# Altium PCB GameBoard_V1I1_Phase1.PcbDoc (part 7 of 18)
Units mm, origin at the board's own origin, x right, y up, seen from the top; angles counter-clockwise.
Board outline 182 x 70.2 mm, 12 copper layers (L1, L2, L3, L4, L5 (PWR), L6 (PWR), L7 (PWR), L8 (PWR), L9, L10, L11, L12), stack 2.079 mm thick; 1542 components, 1068 nets, 5447 pads, 3805 vias.
Unrouted connection lines stored in the file: 2.
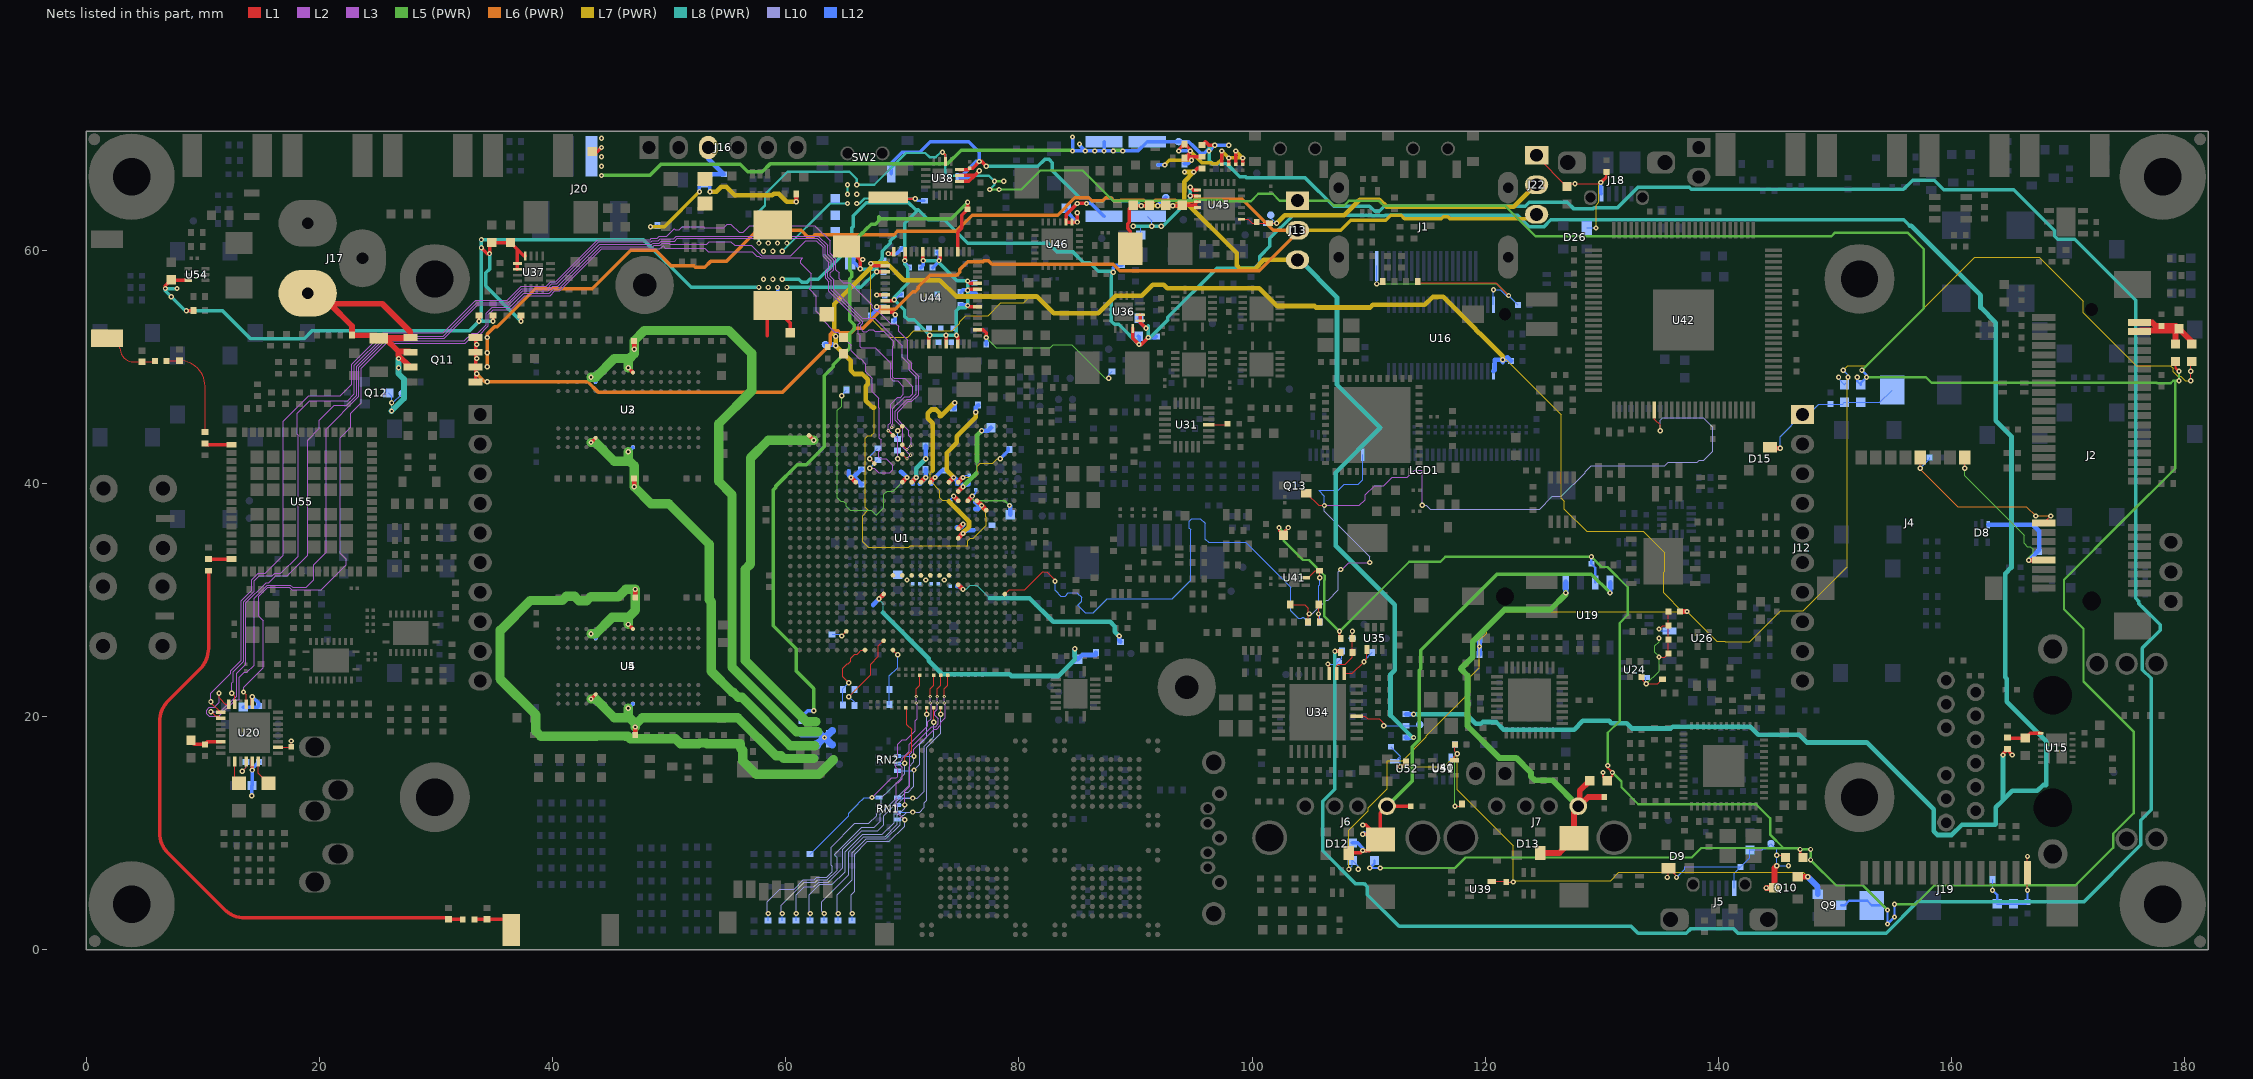
[diagram p17: the nets of this part, all layers, seen from the top]

## Via types
v1: diameter 0.45, hole 0.2, L1 to L12, 1937 vias
v2: diameter 0.45, hole 0.2, L1 to L12, tented both sides, 1004 vias
v3: diameter 0.27, hole 0.1, L1 to L2, 337 vias
v4: diameter 0.27, hole 0.1, L2 to L3, 335 vias
v5: diameter 0.27, hole 0.1, L10 to L11, 96 vias
v6: diameter 0.27, hole 0.1, L11 to L12, 94 vias
v7: diameter 0.27, hole 0.1, L3 to L5 (PWR), 2 vias

## Nets (pads, with @x,y where several pads share a name; then routed paths per layer and width w, separated by ;. In a path a pad name is that pad's centre, name@x,y a point inside that pad or via, vN(x,y) a via of type N, cw(c..) or ccw(c..) an arc to the next point about the centre after c; other vN are vias at no path point) (continued)
+5V: C70.1 C71.1 C218.1 C242.1 C458.1 C459.1 C460.1 D45.1 FB10.1 FB13.1 FB31.2 FB33.1 R183.1 TP37.1 U1.D10 U1.E9 U16.1 U44.44 | length 285.9
  L1 w0.1: v1(180.5,48.8) v1(180.5,49.6) 180.5,50.35 FB10.1@180.6,50.45
  L1 w0.3: v2(67.3,58.85) 67.5,58.65 U44.44@68.55,58.65
  L1 w0.4: U1.E9@76.4,38.5 v2(76.8,38.1) U1.D10@77.2,37.7 ; FB33.1@136.7,29 v1(137.3,29)
  L7 (PWR) w0.1: 67.3,58.5 67.3,54.166 68.928,52.537 70.457,52.537 70.995,53.075 74.275,53.075 74.925,53.725 74.925,53.855 75.445,54.375 77.355,54.375 78.455,55.475 80.405,55.475 80.955,56.025 ; 67.575,46.5 67.575,44.345 67.375,44.145 67.375,44.075 67.045,44.075 66.825,43.855 66.825,37.945 67.045,37.725 67.1,37.725 67.15,37.675 67.045,37.675 66.6,37.23 66.6,35 67.075,34.525 70.555,34.525 70.686,34.655 75.625,34.655 75.625,35.055 75.845,35.275 76.105,35.275 77.217,36.387 77.217,37.083 77.175,37.125 77.175,37.455 76.8,37.83 v2(76.8,38.1) ; v1(108.3,6.9) 108.3,10.25 109.982,11.932 109.982,12.182 111.6,13.8 111.6,16.2 112.9,16.2 114.95,18.25 114.95,18.33 118.73,22.111 118.73,23.4 119.5,24.17 v1(119.5,26) 119.5,26.53 120.125,27.155 120.125,27.455 121.67,29 136.9,29 ; v1(121.5,50.6) 121.8,50.6 126.525,45.875 126.525,38.705 126.775,38.455 126.775,37.795 128.695,35.875 133.555,35.875 135.375,34.055 135.375,32.445 135.3,32.37 135.3,30.6 136.9,29 ; v1(150.7,49.7) 151.075,50.075 152.675,50.075 161.975,59.375 167.525,59.375 171.3,55.6 171.3,54.61 175.835,50.075 178.409,50.075 178.434,50.1 178.766,50.1 179,49.866 179,49.57 179.395,49.175 179.655,49.175 180.03,48.8 v1(180.5,48.8) ; v1(151.1,49.1) 151.025,49.025 151.025,32.825 147.27,29.07 145.34,29.07 142.67,26.4 140.56,26.4 140.52,26.44 139.83,26.44 137.3,28.97 v1(137.3,29) 136.9,29
  L7 (PWR) w0.4: 67.3,58.5 64.175,55.375 64.175,52.725 v2(64.3,52.6) v2(64.3,51.8) 65.575,50.525 65.575,49.683 65.883,49.375 66.567,49.375 67.025,48.917 67.025,48.483 66.875,48.333 66.875,47.083 67.458,46.5 67.575,46.5 ; v2(67.3,58.85) 68.708,58.85 70.133,57.425 73.217,57.425 74.617,56.025 80.955,56.025 81.533,56.025 82.983,54.575 86.817,54.575 88.317,56.075 90.517,56.075 91.467,57.025 92.417,57.025 92.717,56.725 100.617,56.725 102.142,55.2 105.358,55.2 105.483,55.075 110.117,55.075 110.342,55.3 114.808,55.3 115.483,55.975 115.917,55.975 115.942,56 116.4,56 119.175,53.225 119.175,53.183 119.483,52.875 119.525,52.875 121.5,50.9 v1(121.5,50.6)
  L12 w0.1: v1(108.3,6.9) 108.6,7.2 FB13.1@108.6,7.65 109.1,7.15 v1(109.1,6.9) ; v1(150.3,49.1) 150.3,48.95 FB31.2@150.8,48.45 151.1,48.75 v1(151.1,49.1) 151.1,49.3 v1(150.7,49.7)
  L12 w0.4: TP37.1@63.4,51.9 64.2,51.9 v2(64.3,51.8) ; C71.1@76.265,37.8 76.5,37.8 v2(76.8,38.1) 76.565,38.1 C70.1@76.265,38.4 ; R183.1@119.5,25.3 v1(119.5,26) C242.1@119.5,26.6 ; U16.1@120.7,49.6 120.8,49.7 120.8,50.6 v1(121.5,50.6) ; v1@121.5,50.4 v1(121.5,50.6) ; C218.1@122.2,50.5 C218.1@122.1,50.6 ; v1(121.5,50.6) v1@121.7,50.6 ; v1@121.7,50.6 121.9,50.8 C218.1@122.1,50.6 ; v1@121.7,50.6 C218.1@122.1,50.6
+5V_BARREL: J17.1 Q11.1 Q11.2 Q11.3 Q12.3 R320.2 R321.2 TP24.1 | length 33.7
  L1 w0.5: J17.1@19,56.3 J17.1@19.3,56.3 ; Q11.3@27.8,49.965 26.8,50.965 26.8,51.3 ; Q11.2@27.8,51.235 27.735,51.3 26.8,51.3 ; J17.1@19.3,56.3 20,56.3 J17.1@20.9,55.4 ; J17.1@19.3,56.3 20.2,55.4 J17.1@20.9,55.4 ; J17.1@20.9,55.4 22.8,53.5 R320.2@22.8,52.7 24.85,52.7 R321.2@25.1,52.45 R321.2@25.65,52.45 ; J17.1@20.9,55.4 25.4,55.4 27.8,53 Q11.1@27.8,52.505 27.745,52.45 R321.2@25.65,52.45 ; R321.2@25.65,52.45 26.8,51.3
  L8 (PWR) w0.1: v1(26.2,46.2) v1(26.2,46.9)
  L8 (PWR) w0.5: v1(26.2,46.2) 27.27,47.27 27.27,48.933 26.8,49.403 v1(26.8,49.9) v1(26.8,50.7)
  L12 w0.1: Q12.3@25.9,47.75 26.2,47.45 v1(26.2,46.9) 26.3,46.9 TP24.1@27.1,47.7
+5V_FTDI: C299.1 C300.1 D18.1 D19.1 J16.3 R233.2 R238.2 | length 22
  L1 w0.4: v1(60.9,64.15) R233.2@60.9,64.8
  L7 (PWR) w0.3: v1(48.4,62) 49.6,62 v1(52.6,65)
  L7 (PWR) w0.4: v1(53.5,65) 54.058,65 54.483,65.425 54.917,65.425 55.642,64.7 58.858,64.7 58.983,64.825 59.417,64.825 60.092,64.15 v1(60.9,64.15)
  L12 w0.3: v1(48.4,62) 48.9,62 R238.2@49,62.1 ; v1(52.6,65) 52.6,65.55 C299.1@53.05,66 53.5,65.55 v1(53.5,65)
  L12 w0.4: C299.1@53.05,66 53.55,66.5 C300.1@54.7,66.5 53.36,67.84 J16.3@53.36,68.8
+5V_HDMI_CON: C221.1 J1.18 R146.2 R147.2 U16.38 | length 26.1
  L1 w0.1: v1(110.7,57.1) 111,57.1 R146.2@111.2,57.3 ; R147.2@114.2,57.3 114.3,57.2 120.9,57.2 v1(122,56.1)
  L5 (PWR) w0.1: v1(110.7,57.1) 121,57.1 v1(122,56.1)
  L12 w0.1: v1(110.7,57.1) J1.18@110.7,58.64 ; U16.38@120.7,55.3 v1(120.7,56.6) 121.3,56.6 121.8,56.1 v1(122,56.1) C221.1@122.8,55.3
+5V_HDR_J1: C297.1 C298.1 D15.1 FB27.1 FB31.1 J12.1 | length 13.2
  L1 w0.4: D15.1@144.4,43.1 144.5,43 v1(145.3,43)
  L12 w0.1: v1(145.3,43) 145.3,44 J12.1@147.2,45.9 147.7,45.9 148.6,46.8 C298.1@149.6,46.8 150.65,46.8 FB31.1@150.8,46.95 FB27.1@152.2,46.95 153.85,46.95 C297.1@154.9,48
+5V_JMP: J13.2 J22.3 Q11.5 Q11.6 Q11.7 Q11.8 | length 184.2
  L1 w0.3: Q11.5@33.4,48.695 Q11.6@33.4,49.965 Q11.7@33.4,51.235 Q11.8@33.4,52.505
  L6 (PWR) w0.3: v1(33.5,49.4) 34.2,48.7 v1(34.4,48.7) 43.028,48.7 43.903,47.825 59.745,47.825 63.825,51.905 63.825,52.797 64.103,53.075 64.497,53.075 64.647,52.925 65.597,52.925 65.986,53.314 66.636,53.314 68.247,54.925 69.4,54.925 70.9,56.425 71.097,56.425 71.375,56.703 71.375,56.847 72.353,57.825 74.647,57.825 74.925,58.103 74.925,58.338 75.6,59.013 76.941,59.013 77.003,59.075 77.397,59.075 77.697,58.775 88.097,58.775 88.647,58.225 100.597,58.225 103.9,61.528 J13.2@103.9,61.7 101.828,61.7 99.153,64.375 95.097,64.375 94.897,64.175 93.497,64.175 93.397,64.275 91.703,64.275 91.528,64.1 90.872,64.1 90.697,64.275 88.747,64.275 88.697,64.225 88.147,64.225 87.897,64.475 87.447,64.475 87.197,64.225 86.247,64.225 85.997,64.475 84.803,64.475 83.328,63 76,63 74.6,61.6 69.572,61.6 69.297,61.325 62.497,61.325 62.297,61.125 61.903,61.125 61.328,61.7 57.572,61.7 54.897,59.025 53.553,59.025 53.053,58.525 52.247,58.525 52.097,58.675 50.153,58.675 48.85,59.978 46.7,59.978 43.422,56.7 38.528,56.7 35.253,53.425 35.025,53.425 34.4,52.8 v1(34.4,52.5) v1(34.4,51.2) v1(34.4,50)
  L7 (PWR) w0.3: J13.2@103.9,61.7 107.6,61.7 108.45,62.55 111.45,62.55 111.875,62.975 112.797,62.975 113.072,62.7 116.228,62.7 116.403,62.875 116.797,62.875 116.972,62.7 124.04,62.7 J22.3@124.4,63.06
  other v1: 33.5,50.7 33.5,51.9
+5V_MPCIE: C236.1 C237.1 FB10.2 FB11.2 J2.49 J2.51 | length 10.1
  L1 w0.5: J2.49@176.1,53 176.2,53.1 C236.1@179.35,53.1 ; J2.51@176.1,53.8 177.2,53.8 177.5,53.5 C237.1@178,53.5 179.25,53.5 C236.1@179.5,53.25 ; FB11.2@179.2,51.95 179.2,52.95 C236.1@179.35,53.1 ; FB10.2@180.6,51.95 180.6,52.15 C236.1@179.5,53.25 ; C236.1@179.35,53.1 C236.1@179.5,53.25
+5V_USB_BOT: C243.1 C245.1 D12.1 FB13.2 FB14.2 J6.1 U19.8 | length 49.6
  L1 w0.3: D12.1@108.3,8.3 109.3,8.3 v1(109.5,8.5) 110.05,8.5 C243.1@111,9.45 111,11.72 J6.1@111.58,12.3 ; v1(109.5,9.9) 110.55,9.9 109.75,10.7 v1(109.5,10.7) ; J6.1@111.57,12.31 J6.1@111.58,12.3 ; C245.1@113.6,12.3 J6.1@111.58,12.3
  L5 (PWR) w0.3: J6.1@111.57,12.31 113.725,14.465 113.725,17.403 114.325,18.003 114.325,23.953 114.475,24.103 114.475,25.675 121,32.2 129.1,32.2 v1(130.7,30.6)
  L12 w0.3: FB13.2@108.6,9.15 109.05,9.15 109.5,8.7 v1(109.5,8.5) 109.85,8.5 FB14.2@110.5,9.15 v1@109.625,10.025
  L12 w0.4: v1(130.7,30.6) 130.705,30.605 U19.8@130.705,31.5
+5V_USB_OTG: C240.1 C241.1 D9.1 FB42.2 J5.1 Q10.3 TP11.1 | length 20.4
  L1 w0.1: v1(135.6,6.2) 135.7,6.3 D9.1@135.7,7 136.4,6.3 v1(136.4,6.2) ; v1(145,8.1) 145.55,8.1 FB42.2@145.75,7.9
  L1 w0.5: v1(144.1,5.3) Q10.3@144.8,5.3 144.8,7 v1(145,7.2)
  L12 w0.1: v1(136.4,6.2) 137.1,6.9 137.1,7.1 C241.1@141.9,7.1 ; J5.1@141.35,5.275 141.35,6.55 C241.1@141.9,7.1 ; v1(146,7.2) v1(145,7.2) v1(145,8.1) 145,8.6 TP11.1@144.5,9.1 144.075,8.675 143.845,8.675 143.735,8.565 142.715,8.565 C240.1@142.7,8.55 142.7,7.9 C241.1@141.9,7.1
+5V_USB_OTG_Q: C358.2 C519.2 C520.2 C521.2 Q9.2 Q10.2 R318.2 R319.2 U39.5 U40.5 U51.5 U52.5 | length 60.6
  L1 w0.1: v1(112.7,15.7) 113.2,16.2 R319.2@113.2,16.1 ; U40.5@117.35,16.25 117.35,16.55 v1(117.6,16.8) 117.4,17 C519.2@117.4,17.6 ; v1(117.4,12.3) 117.8,12.3 R318.2@118,12.5 ; U39.5@120.55,5.85 121.75,5.85 C358.2@121.8,5.8 v1(122.4,5.8)
  L1 w0.5: Q10.2@146.8,6.25 v1(147.65,6.25)
  L5 (PWR) w0.1: v1(117.4,12.3) 117.4,16.6 v1(117.6,16.8)
  L7 (PWR) w0.1: v1(112.7,15.7) 116.5,15.7 v1(117.6,16.8) 117.6,13.7 122.4,8.9 v1(122.4,5.8) 122.525,5.925 130.755,5.925 131.455,6.625 147.275,6.625 v1(147.65,6.25)
  L12 w0.1: C521.2@111.9,17.4 112.7,16.6 112.7,16.425 ; U52.5@112.225,16.15 112.6,16.525 112.7,16.425 ; v1(112.7,15.7) 112.7,16.425 ; U51.5@117.05,16.45 117.25,16.45 v1(117.6,16.8) 117.4,17 C520.2@117.4,17.6
  L12 w0.5: v1(147.65,6.25) 148.51,5.39 Q9.2@148.51,4.75
+5V_USB_TOP: C244.1 C246.1 D13.1 FB15.1 J7.1 U19.5 | length 42.4
  L1 w0.5: D13.1@124.7,8.3 126.35,8.3 C244.1@127.6,9.55 127.6,11.87 J7.1@128.1,12.37 ; FB15.1@128.95,14.5 128.1,13.65 J7.1@128.1,12.37 ; C246.1@130.2,13.1 128.83,13.1 J7.1@128.1,12.37
  L5 (PWR) w0.5: v1(126.9,30.6) 126.9,30.487 125.588,29.175 121.662,29.175 118.925,26.438 118.925,25.112 117.9,24.087 118.475,23.512 118.475,19.175 121.2,16.45 122.645,16.45 123.925,15.17 123.925,14.862 124.262,14.525 125.755,14.525 J7.1@127.97,12.31
  L12 w0.5: U19.5@126.895,31.5 126.895,30.605 v1(126.9,30.6)
+BAT: C489.1 J20.1 R226.1 R466.2 R475.2 R476.2 TP47.1 | length 295.8
  L1 w0.3: C489.1@43.4,68.45 43.85,68.45 v1(44.2,68.8) ; R466.2@95.7,69 96,69.3 96.3,69 v1(96.8,69) ; v1(107.1,25.6) 107.5,25.6 R226.1@107.6,25.5
  L5 (PWR) w0.3: v1(44.2,66.4) 48.328,66.4 49.303,67.375 56.097,67.375 56.747,66.725 57.997,66.725 58.697,67.425 73.897,67.425 75.047,68.575 v1@84.6,68.575 ; v1@88.1,68.575 88.825,68.575 v1(88.9,68.5)
  L8 (PWR) w0.3: v1(96.3,68.5) 96.3,68.7 96.325,68.725 ; v1(107.1,25.6) 107.1,13.771 106.058,12.729 106.058,8.47 108.853,5.675 109.597,5.675 109.875,5.397 109.875,4.725 112.6,2 132.5,2 133.1,1.4 137.22,1.4 137.595,1.775 141.297,1.775 141.672,1.4 154.372,1.4 157.1,4.128 171.354,4.128 176.21,8.984 176.21,11.1 177.1,11.99 177.1,23.265 176.345,24.02 176.345,25.873 177.875,27.403 177.875,27.875 176.325,29.425 176.303,29.425 176.025,29.703 176.025,29.875 175.775,30.125 175.775,55.697 170.547,60.925 169.103,60.925 168.825,61.203 168.825,61.675 165.325,65.175 159.328,65.175 158.503,66 156.652,66 155.862,65.21 137.665,65.21 137.5,65.375 133.092,65.375 131.342,63.625 129.325,63.625 129.225,63.525 127.603,63.525 127.018,64.11 123.765,64.11 123.415,63.76 121.494,63.76 121.444,63.81 111.382,63.81 110.897,63.325 110.503,63.325 110.068,63.76 106.994,63.76 104.529,66.225 99.503,66.225 99.453,66.275 98.953,66.275 97.803,67.425 96.603,67.425 96.325,67.703 96.325,68.725 ; 96.325,68.725 96.4,68.8 96.325,68.875 96.325,68.725
  L12 w0.3: v1(84.6,69.7) v1(84.6,68.5) v1(85.7,68.5) ; v1(85.2,69.1) 85.2,69 v1(85.7,68.5) ; R476.2@87.3,69.3 v1(87.3,68.5) ; 96.4,68.8 v1@96.3,68.7 ; v1(98,69) v1(96.8,69) v1(96.3,68.5) v1@96.3,68.7 ; v1(85.7,68.5) v1(86.5,68.5) v1(87.3,68.5) ; v1(87.3,68.5) v1(88.1,68.5) v1(88.9,68.5) 90.2,68.5 R475.2@91,69.3 TP47.1@93.7,69.3 94.572,69.3 94.972,68.9 95.572,68.3 95.9,68.3 v1@96.3,68.7
  other v1: 44.2,67.2 44.2,68 44.2,69.6
+DDR_VREF: C1.1 C2.1 C3.1 C4.1 C5.1 C6.1 C7.1 C8.1 C9.1 C10.2 C18.1 R8.1 R11.2 R430.1 U1.AC2 U2.H1 U2.M8 U3.H1 U3.M8 U4.H1 U4.M8 U5.H1 U5.M8 | length 224.1
  L1 w0.3: v2(43.3,21.5) U4.M8@43.7,21.9 ; v2(43.3,43.5) U2.M8@43.7,43.9 ; v2(46.5,27.9) U4.H1@46.9,27.5 ; v2(46.5,49.9) U2.H1@46.9,49.5 ; U1.AC2@62,44.1 v2(62.4,43.7)
  L1 w0.4: v2(47,39.7) C1.1@47,40.4 ; v2(47,51.5) C2.1@47,52.2 ; C6.1@47.1,18.4 v2(47.1,19.1) ; C7.1@47.1,30.2 v2(47.1,30.9)
  L5 (PWR) w0.8: v2(43.3,21.5) 43.7,21.5 45.3,19.9 46.3,19.9 ; v2(43.3,27.1) 43.7,27.1 45.1,28.5 46.5,28.5 ; v2(43.3,43.5) 43.7,43.5 45.3,41.9 46.3,41.9 ; v2(43.3,49.1) 43.7,49.1 45.3,50.7 46.3,50.7 ; v2(46.5,20.7) 46.5,20.1 46.3,19.9 ; v2(46.5,27.9) 46.5,28.5 ; v2(46.5,42.7) 46.5,42.1 46.3,41.9 ; v2(46.5,49.9) 46.5,50.5 46.3,50.7 ; v2(47.1,19.1) v2@47.1,19.3 ; 62.4,16.4 59.825,16.4 59.6,16.625 59.164,16.625 55.889,19.9 47.7,19.9 v2@47.1,19.3 ; v2(62.4,43.7) 58.5,43.7 56.975,42.175 56.975,33.075 56.525,32.625 56.525,24.809 61.784,19.55 62.575,19.55 ; 62.5,17.5 60.4,17.5 56.25,21.65 55.925,21.65 55.5,22.075 55.425,22.075 53.6,23.9 53.6,27.575 53.625,27.6 53.625,29.825 53.45,30 53.45,34.775 49.975,38.25 48.45,38.25 v2(47,39.7) 47,41.5 46.6,41.9 46.3,41.9 ; 62.75,18.7 60.927,18.7 55.4,24.227 55.4,39.025 54.25,40.175 54.25,45.1 57.075,47.925 57.075,51.15 55.125,53.1 47.875,53.1 47,52.225 v2(47,51.5) 47,51.1 46.6,50.7 46.3,50.7 ; 64.1,16.3 62.849,15.049 57.461,15.049 56.325,16.185 56.325,17.1 56.125,17.3 56.125,17.675 53.25,17.675 53.2,17.725 52.6,17.725 52.55,17.675 50.975,17.675 50.55,18.1 46.672,18.1 46.472,18.3 46.225,18.3 46.2,18.325 43.825,18.325 43.8,18.3 39,18.3 38.575,18.725 38.575,20.15 35.5,23.225 35.5,27.425 35.575,27.425 38.1,29.95 40.825,29.95 41.175,30.3 41.9,30.3 42.275,29.925 42.925,29.925 43.275,30.275 45.65,30.275 46.275,30.9 v2(47.1,30.9) 47.1,29.1 46.5,28.5 ; 46.3,19.9 46.6,19.9 47.1,19.4 v2@47.1,19.3
  L12 w0.3: v2(43.3,27.1) U5.M8@43.7,26.7 ; v2(43.3,49.1) U3.M8@43.7,48.7 ; v2(46.5,20.7) U5.H1@46.9,21.1 ; v2(46.5,42.7) U3.H1@46.9,43.1 ; C5.1@61.6,43.8 62.3,43.8 v2(62.4,43.7)
  L12 w0.4: v2(47,39.7) C4.1@47,40.4 ; v2(47,51.5) C3.1@47,52.2 ; C8.1@47.1,18.4 v2(47.1,19.1) ; C9.1@47.1,30.2 v2(47.1,30.9)
  L12 w0.635: R8.1@62.675,17.575 v2@63.3,18.2 ; R11.2@62.675,18.775 63.25,18.2 v2@63.3,18.2 ; 63.975,17.575 v2@63.35,18.2 ; 63.975,18.775 63.4,18.2 v2@63.35,18.2 ; v2@63.3,18.2 v2(63.325,18.2) v2@63.35,18.2
  L12 w0.8: R430.1@61.4,18.6 62.5,18.6 62.6,18.7 R11.2@62.6,18.6 ; R8.1@62.65,17.6 R8.1@62.675,17.575
+DDR_VREF_PMIC: C424.1 R430.2 U44.31 | length 63.2
  L1 w0.3: U44.31@74.75,59.85 74.75,61.55 75.1,61.9 75.1,63 C424.1@75.6,63.5 v1(75.6,64.1)
  L5 (PWR) w0.3: v1(62.4,20.5) 62.4,22.4 60.9,23.9 60.9,25.8 58.925,27.775 58.925,39.428 59.125,39.628 59.125,39.725 61,41.6 61.772,41.6 63.3,43.128 63.3,49.228 64.075,50.003 64.075,50.175 65.5,51.6 65.5,52.828 65.875,53.203 65.875,53.597 65.5,53.972 65.5,57.528 65.675,57.703 65.675,58.097 65.5,58.272 65.5,60.4 66.525,61.425 66.547,61.425 66.825,61.703 66.825,61.725 67.325,62.225 67.697,62.225 67.975,62.503 67.975,62.875 68.15,62.7 74.2,62.7 v1(75.6,64.1)
  L12 w0.3: R430.2@61.4,19.6 61.4,20 61.9,20.5 v1(62.4,20.5)
+GYRO_VREGD: C321.1 U31.16 | length 1.7
  L1 w0.1: U31.16@96.275,45 97.8,45 C321.1@97.9,45.1
+HDMI_VP: C73.1 R22.2 U1.L7 | length 2
  L1 w0.4: U1.L7@71.6,40.1 v2(72,40.5)
  L12 w0.4: C73.1@71.5,39.965 72,40.465 v2(72,40.5) R22.2@72,41.2
+HDMI_VPH: C76.1 R27.2 U1.M7 | length 4.3
  L1 w0.4: U1.M7@70.8,40.1 v2(71.2,40.5)
  L8 (PWR) w0.4: v2(71.2,40.5) 71.2,41.3 v2(72,42.1)
  L12 w0.4: C76.1@70.9,39.965 70.9,40.2 v2(71.2,40.5) ; v2(72,42.1) R27.2@72,43.2
+LVDS_2V5: C83.1 C84.1 R32.2 U1.V7 | length 3.3
  L1 w0.4: v2(65.6,40.5) U1.V7@66,40.1
  L12 w0.4: C84.1@65.4,41.035 65.4,40.7 v2(65.6,40.5) v2@65.8,40.5 ; C83.1@66.5,39.9 65.9,40.5 v2@65.8,40.5 ; R32.2@66.5,41.2 v2@65.8,40.5
+MPCIE_SIM_PWR: C238.1 D8.3 J2.8 J4.C1 | length 20.3
  L1 w0.1: v1(161.12,41.3) J4.C1@161.12,42.2
  L1 w0.4: v1(166.6,33.4) J2.8@167.9,33.4
  L5 (PWR) w0.1: v1(161.12,41.3) 161.12,40.655 166.225,35.55 166.225,34.845 166.495,34.575 166.755,34.575 166.975,34.355 166.975,34.045 166.6,33.67 v1(166.6,33.4)
  L12 w0.4: D8.3@163.138,36.45 166.95,36.45 167.5,35.9 167.5,34.3 v1(166.6,33.4)
+MPCIE_SIM_VPP: C239.1 J2.16 J4.C6 | length 15.9
  L1 w0.1: v1(157.31,41.3) J4.C6@157.31,42.2 ; J2.16@167.9,36.6 v1(168.5,37.2)
  L6 (PWR) w0.1: v1(157.31,41.3) 157.31,41.19 160.5,38 166.4,38 v1(167.2,37.2) v1(168.5,37.2)
  L12 w0.1: v1(157.31,41.3) 158.1,42.09 C239.1@158.1,42.2
+NVCC_CSI: C158.1 R113.1 U1.N7 | length 19.6
  L1 w0.4: U1.N7@70,40.1 v2(70.4,40.5)
  L5 (PWR) w0.093: v1(64.8,47.5) 64.8,46.625 64.428,46.254 64.428,40.654 64.428,38.746 64.703,38.472 64.954,38.472 65.172,38.254 65.172,38.028 65.529,37.672 67.354,37.672 67.775,37.25 68.429,37.903 68.429,39.054 68.703,39.329 69.228,39.329 v2(70.4,40.5)
  L12 w0.093: v1(64.8,47.5) 64.8,47.6 R113.1@65.2,48
  L12 w0.4: C158.1@69.865,41 69.9,41 v2(70.4,40.5)
+NVCC_ENET: C166.1 C167.1 R115.1 U1.R19 | length 25.9
  L1 w0.4: v1(68,30.1) U1.R19@68.4,30.5
  L8 (PWR) w0.1: v1(68,30.1) 68,30.05 68.375,29.675 68.375,29.145 68.342,29.112 68.342,28.9
  L8 (PWR) w0.4: 68.342,28.9 72.275,24.968 72.275,24.783 73.433,23.625 79.217,23.625 79.367,23.475 83.417,23.475 84.8,24.858 v1(84.8,25.8)
  L12 w0.4: C166.1@67.5,29.565 67.5,29.6 v1(68,30.1) ; v1(84.8,25.8) 84.8,25.15 C167.1@85.05,24.9 85.425,25.275 86.6,25.275 R115.1@86.6,25.475
+NVCC_MIPI: C163.1 R114.1 U1.K7 | length 2.4
  L1 w0.4: U1.K7@72.4,40.1 v2(72.8,40.5)
  L12 w0.3: v2(72.8,40.5) 73.4,41.1 R114.1@73.7,41.1
  L12 w0.4: C163.1@72.5,39.965 72.5,40.2 v2(72.8,40.5)
+NVCC_RGMII: C168.1 R116.1 U1.G18 | length 17.3
  L1 w0.4: U1.G18@74.8,31.3 v2(75.2,30.9)
  L8 (PWR) w0.1: v2(75.2,30.9) 75.47,30.9 75.845,31.275 76.375,31.275 77.5,30.15
  L8 (PWR) w0.4: 77.5,30.15 80.907,30.15 82.932,28.125 87.817,28.125 88.225,27.717 88.225,27.275 v1(88.6,26.9)
  L12 w0.4: C168.1@74.7,31.165 74.935,31.165 v2(75.2,30.9) ; v1(88.6,26.9) 88.6,26.5 R116.1@88.7,26.4
+PCIE_VP: C59.1 R12.2 U1.H7 | length 8.8
  L1 w0.4: U1.H7@74,40.1 v2(74.4,40.5)
  L7 (PWR) w0.4: v2(74.4,40.5) 73.8,41.1 73.8,42.6 74.675,43.475 74.675,44.033 76.312,45.67 76.312,46.088 v1(76.3,46.1)
  L12 w0.4: v2(74.4,40.5) 74.7,40.2 C59.1@74.7,39.965 ; v1(76.3,46.1) 76.3,46.5 R12.2@76.5,46.7
+PCIE_VPH: C64.1 R13.2 U1.G7 | length 6.7
  L1 w0.4: U1.G7@74.8,40.1 v2(75.2,40.5)
  L7 (PWR) w0.1: v2(75.2,40.5) 76.2,40.5 76.425,40.725 76.425,41.455 76.695,41.725 77.755,41.725 78.13,42.1 v1(78.4,42.1)
  L12 w0.1: v2(75.2,40.5) 75.4,40.7 C64.1@75.735,40.7
  L12 w0.3: v1(78.4,42.1) 79.1,42.8 R13.2@79.1,43
+PCIE_VPTX: C61.1 FB1.2 U1.G8 | length 7.7
  L1 w0.4: U1.G8@74.8,39.3 v2(75.2,39.7)
  L5 (PWR) w0.1: 76.321,40.821 76.4,40.9 76.4,41.9
  L5 (PWR) w0.4: v2(75.2,39.7) 76.321,40.821 ; 76.4,41.9 76.4,44.1 v1(76.8,44.5)
  L12 w0.4: v2(75.2,39.7) 75.2,39.885 75.62,39.885 C61.1@75.7,39.965 ; v1(76.8,44.5) 77.35,44.5 FB1.2@77.6,44.75
+PMIC_LICELL: C428.1 U44.42 | length 1.9
  L1 w0.3: v2(68.8,59.7) 69.1,59.7 U44.42@69.25,59.85
  L12 w0.3: v2(68.8,59.7) 69.5,59.7 C428.1@70,60.2
+PMIC_VCORE: C473.1 U44.49 | length 1.4
  L1 w0.3: v2(67.8,56.15) U44.49@68.55,56.15
  L12 w0.3: v2(67.8,56.15) 68.35,56.15 C473.1@68.4,56.1
+PMIC_VCOREREF: C472.1 U44.52 | length 1.5
  L1 w0.3: U44.52@68.55,54.65 69.2,54.65 v2(69.4,54.45)
  L12 w0.3: C472.1@69.3,53.9 69.4,54 v2(69.4,54.45)
+PULLUP: R465.2 R466.1 R471.2 R472.2 R473.2 R474.2 R488.2 R489.2 R490.2 R495.2 | length 19.7
  L1 w0.3: v1(93.7,68.5) 93.7,68.6 R489.2@94.2,69.1 94.7,68.6 v1(94.7,68.5) 94.7,68.4 R488.2@94.2,67.9 94.5,67.9 v1@94.75,67.65 ; v1(94.8,67.7) 94.5,68 R465.2@95.7,68 ; R474.2@97.4,67.365 v1(97.4,68.5) ; R473.2@98,67.365 v1(98,67.9) ; R472.2@98.6,67.365 v1(98.6,68.5) ; R471.2@99.2,67.365 v1(99.2,67.9)
  L7 (PWR) w0.3: v1(92.5,67.3) 92.9,67.7 v1(94.8,67.7) ; v1(94.7,68.5) 95.7,67.5 96.528,67.5 96.603,67.425 97.025,67.425 97.4,67.8 v1(97.4,68.5) v1(98,67.9) v1(99.2,67.9) v1(98.6,68.5)
  L12 w0.3: R495.2@91.965,67.3 v1(92.5,67.3) ; v1(93.7,68.5) v1(94.7,68.5) ; R490.2@94.2,67.4 94.5,67.4 v1(94.8,67.7)
+PWRON_1V375_OPT: C418.1 R301.2 U44.16 | length 14.7
  L1 w0.3: U44.16@76.45,53.15 76.95,53.15 77.2,52.9 v2(77.2,52.5)
  L5 (PWR) w0.1: v2(77.2,52.5) 78.072,51.628 82.697,51.628 82.945,51.875 84.525,51.875 87.4,49 v1(87.7,49)
  L12 w0.1: v1(87.7,49) 87.7,49.3 R301.2@88,49.6
  L12 w0.3: C418.1@77.2,51.9 v2(77.2,52.5)
+SATA_VP: C87.1 R39.2 U1.G13 | length 17.9
  L1 w0.4: U1.G13@74.8,35.3 v2(75.2,35.7)
  L7 (PWR) w0.1: 72.6,41.098 72.4,40.898 72.4,40.2 73.225,39.375 73.225,38.745 73.445,38.525 73.917,38.525 74,38.442
  L7 (PWR) w0.4: 72.6,41.098 72.6,45.158 72.175,45.583 72.175,46.017 72.483,46.325 72.917,46.325 73.225,46.017 73.225,45.745 73.302,45.745 74.458,46.9 v1(74.5,46.9) ; 74,38.442 75.725,36.717 75.725,36.283 75.2,35.758 v2(75.2,35.7)
  L12 w0.4: R39.2@74.4,46.4 74.5,46.5 v1(74.5,46.9) ; v2(75.2,35.7) 75.465,35.965 C87.1@76.1,35.965
+SATA_VPH: C93.1 R40.2 U1.G12 | length 1.3
  L1 w0.4: U1.G12@74.8,36.1 v2(75.2,36.5)
  L12 w0.4: C93.1@74.665,36.2 74.69,36.225 75.018,36.225 75.2,36.407 v2(75.2,36.5)
+SYS: C350.1 C351.1 C483.1 C484.1 C485.1 C486.1 J13.3 L17.2 R465.1 R583.1 SW2.3 TP45.1 U38.10 U38.11 U38.12 U45.15 U45.16 | length 116.3
  L1 w0.3: U38.10@74.9,65.9 75.7,65.9 76.2,66.4 ; U38.11@74.9,66.4 76.2,66.4 ; U38.12@74.9,66.9 75.665,66.9 C351.1@75.8,67.035 76.035,67.035 v1(76.6,67.6) 76.8,67.6 v1(77.2,67.2) ; v1(76.6,66.8) 76.2,66.4 ; L17.2@89.562,60.1 89.562,61.616 89.325,61.853 89.325,62.247 89.478,62.4 89.478,63.528 C486.1@89.8,63.85 89.85,63.8 v1(90.5,63.8) 91.15,63.8 C485.1@91.2,63.85 ; v1(93.2,63.8) 93.95,63.8 C483.1@94,63.85 95,63.85 ; v1(95,66.7) 95.3,67 R465.1@95.7,67 ; U45.16@95.3,63.65 95.1,63.85 95,63.85 ; U45.15@95.3,64.15 95,63.85
  L7 (PWR) w0.3: v1(90.5,63.8) v1(91.9,63.8) v1(93.2,63.8)
  L7 (PWR) w0.4: v1(93.2,63.8) 93.725,63.8 94.175,64.25 ; v1(94.2,66.7) v1(95,66.7) 94.175,65.875 94.175,64.25 ; J13.3@103.9,59.16 101.002,59.16 100.217,58.375 98.983,58.375 98.675,58.683 98.675,59.75 94.175,64.25
  L8 (PWR) w0.3: v1(77.2,67.2) 81.628,67.2 82.203,67.775 82.597,67.775 82.875,67.497 82.875,66.825 85.225,64.475 85.997,64.475 86.247,64.225 87.197,64.225 87.447,64.475 87.897,64.475 88.147,64.225 90.075,64.225 v1(90.5,63.8)